# Altium PCB B38_PCB.PcbDoc (part 1 of 2) (continued)
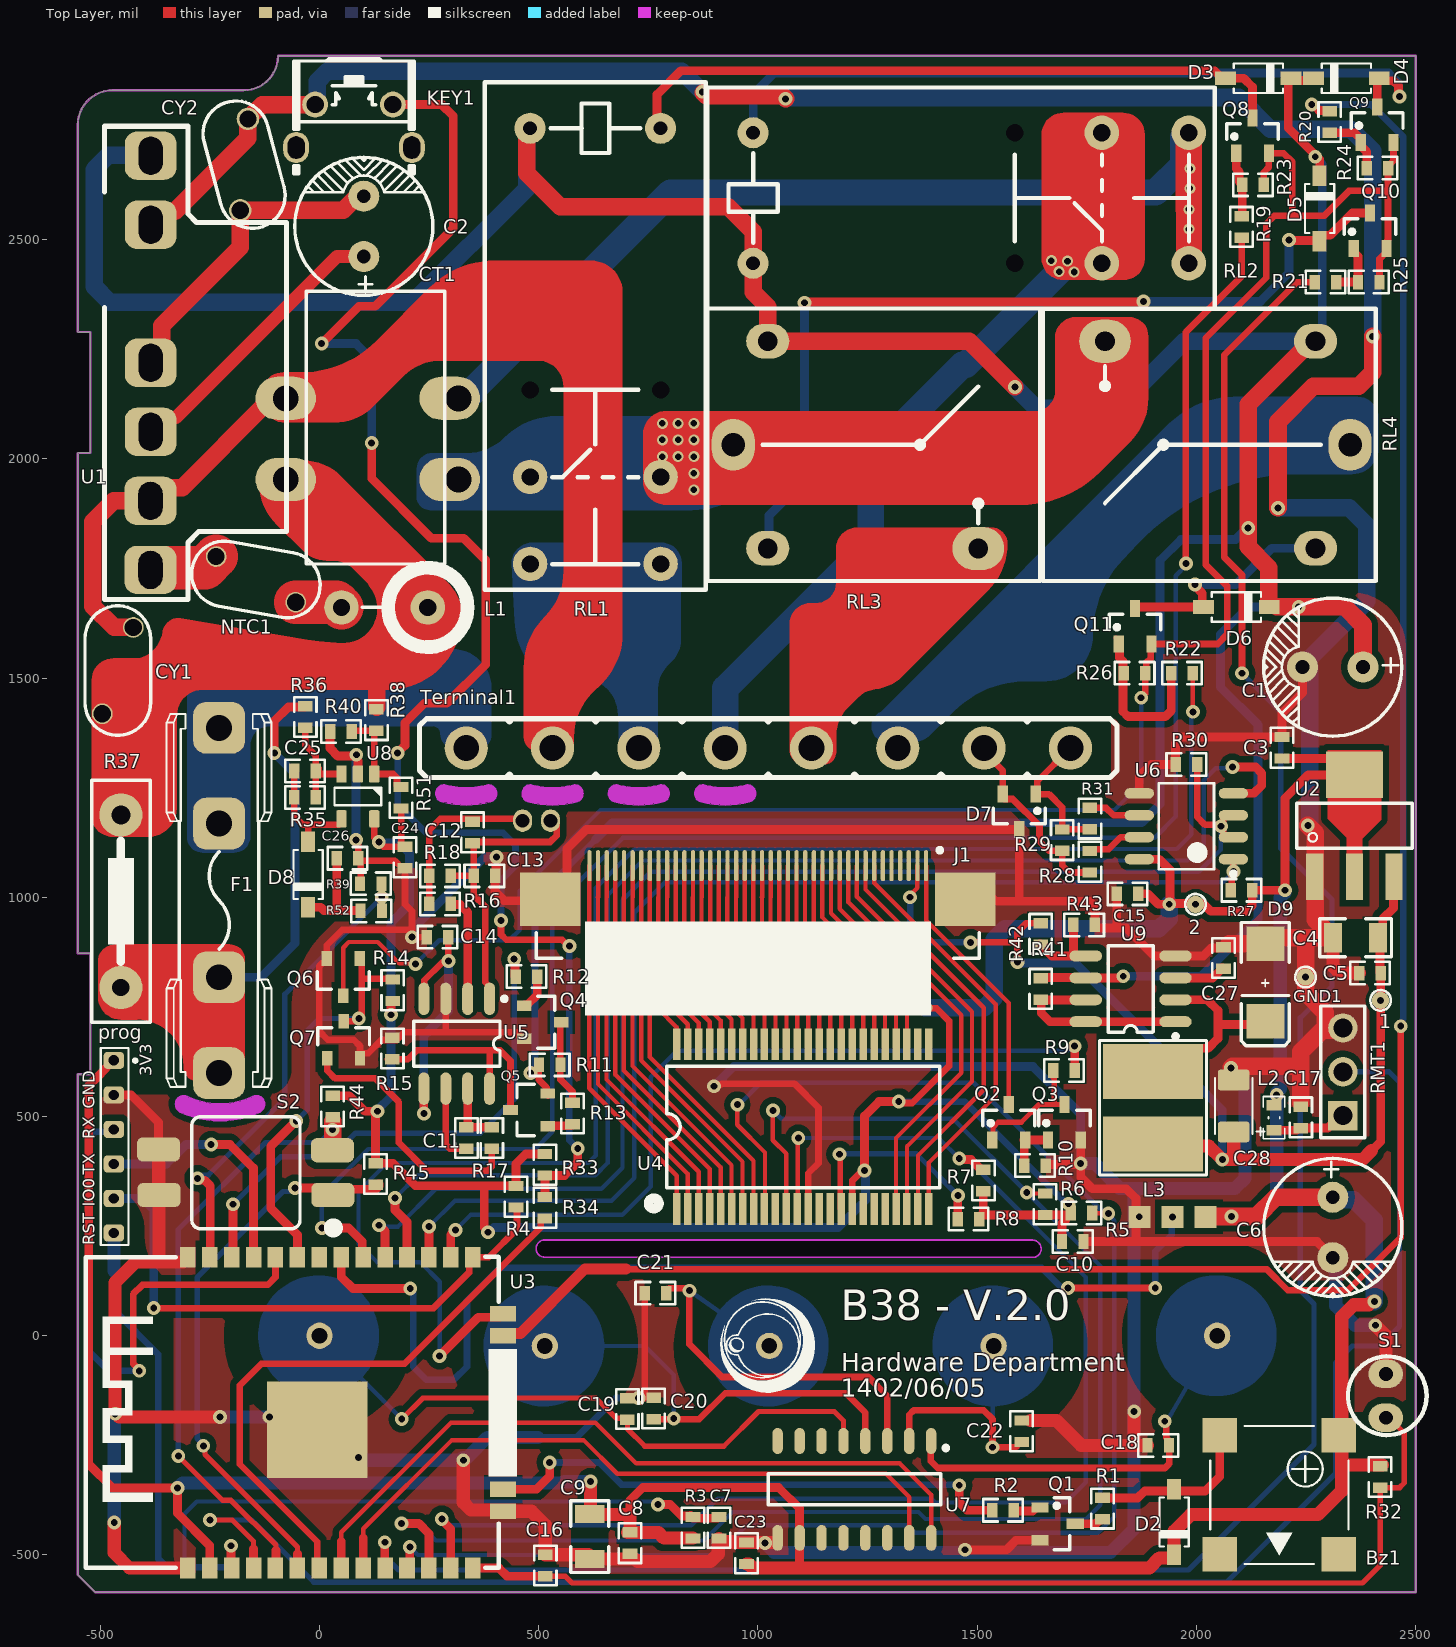
[diagram p0: Top Layer view]
## Footprints (in the part's own frame and the unit in brackets; to place one, negate y for a bottom-side part, rotate by r counter-clockwise, add the part's x,y. Pads: shape width x height; smd on the part's side, far side on the other; paste and mask are expansions set on the pad) (continued)
  silkscreen extent -12.84,-2.55 12.84,3.82, body extent -12.94,-2.65 12.94,3.2, height 0.25
"FUSE 5X20" [mm] "Dsigner : Abbas Basereh"
  rrect50% 3x3 hole 1.5: 1(0,10) 1(0,4.45) 2(0,-4.45) 2(0,-10)
  silkscreen extent -3.04,-10.81 3.04,10.81, body extent -3.5,-10.44 3.5,10.44, height 9.99
"GDS02s-2.54 smd" [mil]
  rrect50% 55.12x98.43 smd: 1(-51,-0.5) 2(51,0.5) 3(53,397) 4(-51,396)
  silkscreen extent -133,-8 128,321, body extent -122,-12 122,397, height 179
HEADER-2.54MM [mm]
  rrect50% 1x1.2 hole 0.6 mask+0.051: 1(0,0) 2(2,0) 3(4,0) 4(6,0) 5(8,0) 6(10,0)
  silkscreen extent -0.71,-0.76 10.69,1.3
IND-5.8MM [mm]
  rect 5.8x3.2 smd: 1(0,2.1) 2(0,-2.1)
  silkscreen extent -3.1,-3.9 3.1,3.9, body extent -1.94,-2.14 2.06,2.34, height 3.18
"Inductor Stand" [mm]
  round 2 hole 1: 1(0,0) 2(0,-5)
  silkscreen extent -2.3,-3.78 2.3,2.3
LS05-13BXXR3 [mm]
  rrect50% 2.8x3 hole 1.4 slot 2.2 at 0 deg: 1(-12,0.005) 2(-8,0.005) 3(-4,-0.005) 4(0,-0.005) 5(8,-0.005) 6(12,-0.005)
  silkscreen extent -13.72,-7.87 13.7,2.67, body extent -13.29,-7.72 13.08,2.64, height 14.93
"M7(1n4007 SMD)DO214" [mm]
  rect 2x2.2 smd: 1(-2.248,0) 2(2.248,0)
  silkscreen extent -3.47,-1.4 3.67,1.4, body extent -2.5,-1.32 2.6,1.28, height 2.31
"NTC 7.5-D"#1 [mm]
  round 1.2 / inner round 1.2 / far side oval 1.7x2 hole 1 mask+0.051: 1(0.9,2.5) 2(-0.9,-2.5)
  silkscreen extent -1.9,-3.75 1.9,3.75, body extent -1.93,-3.74 1.93,3.74, height 10.75
"NTC 7.5-D"#2 [mm]
  round 1.3 / inner round 1.2 / far side oval 1.7x2 hole 1 mask+0.051: 1(0.9,2.5) 2(-0.9,-2.5)
  silkscreen extent -1.9,-3.75 1.9,3.75, body extent -1.93,-3.74 1.93,3.74, height 10.75
"NTC 7.5-D"#3 [mm]
  round 1.2 / inner round 1.5 / far side oval 1.7x2 hole 1 mask+0.051: 1(0.9,2.5) 2(-0.9,-2.5)
  silkscreen extent -1.9,-3.75 1.9,3.75, body extent -1.93,-3.74 1.93,3.74, height 10.75
"PUSH BUTTON" [mm]
  oval 1.5x1.8 / inner oval 1.5x1.8 / far side oval 2x2.3 hole 1 slot 1.3 at 90 deg mask+0.051: 0(-3.35,-2.49) 0(3.35,-2.49)
  round 1.5 / inner round 1.5 / far side oval 2x1.6 hole 1 mask+0.051: 1(-2.25,0) 2(2.25,0)
  silkscreen extent -3.5,-4 3.5,2.65, body extent -4.11,-4 4.11,3.15, height 7.12
RCCB-CT [mm]
  oval 1.3x1.1 hole 0.8: 1(20.762,5.764) 2(20.762,4.145)
  oval 2.5x3.5 hole 1.5: 3(-3.708,-9.575) 4(0.991,-9.574)
  oval 2.5x3.5 hole 1.5 copper offset 0,-0.5: 5(-3.708,0.426) 6(0.991,0.426)
  silkscreen extent -9.91,-8.37 5.89,-0.37, body extent -15.66,-9.35 5.7,0.72, height 15.49
REL-SEDNA-4PIN [mm]
  oval 2.5x3 hole 1.35: 1(-7.1,0)
  oval 2.5x2 hole 1.15: 2(-5.1,-6) 5(-5.1,6)
  oval 3x2.5 hole 1.15: 3(7.1,-6)
  silkscreen extent -8.59,-7.89 10.69,7.89, body extent -8.45,-7.75 10.55,7.75, height 1.7
RELAY-HF115F [mm]
  round 0 hole 1: 0(3.14,3.78) 0(3.14,-3.78)
  round 1.8 hole 0.8: 1(-12.02,3.78) 5(-12.02,-3.78)
  round 2 hole 1: 2(13.22,-3.78) 2(13.22,3.78) 3(8.18,-3.78) 3(8.18,3.78)
  silkscreen extent -14.69,-6.4 14.71,6.4, body extent -14.49,-6.25 14.51,6.35, height 14.9
RES0603 [mm]
  rect 0.6x0.85 smd: 1(-0.622,0) 2(0.622,0)
  Top Layer pour cut-out: -0.65,0.65 -0.65,-0.65 0.622,-0.65 0.622,0.65
  silkscreen extent -1.15,-0.65 1.15,0.65, body extent -0.76,-0.38 0.76,0.38, height 0.45
RF-RMT [mm] "Connector; Header; 3 Position"
  rect 1.7x1.7 hole 1.1: 1(0,0)
  round 1.7 hole 1.1: 2(2.54,0) 3(5.08,0)
  silkscreen extent -1.27,-1.27 6.35,1.27, body extent -1.34,0.03 10.91,3.97, height 11
SHUNT-10MM [mm]
  round 2.5 hole 1.1: 1(-5,0)
  round 2.5 hole 1: 2(5,0)
  silkscreen extent -7,-1.7 7,1.7, body extent -6.87,-1.5 6.87,1.5, height 11.5
SO16 [mm]
  oval 1.5x0.6 smd: 1(-2.806,4.445) 2(-2.806,3.175) 3(-2.806,1.905) 4(-2.806,0.635) 5(-2.806,-0.635) 6(-2.806,-1.905) 7(-2.806,-3.175) 8(-2.806,-4.445) 9(2.805,-4.445) 10(2.805,-3.175) 11(2.805,-1.905) 12(2.805,-0.635) 13(2.805,0.635) 14(2.805,1.905) 15(2.805,3.175) 16(2.805,4.445)
  silkscreen extent -2.52,-5 0.9,5.42, body extent -3.05,-5.13 2.95,5.07, height 1.7
SO-8 [mil]
  oval 74x25 smd: 1(102.36,-75) 2(102.36,-25) 3(102.36,25) 4(102.36,75) 5(-102.36,75) 6(-102.36,25) 7(-102.36,-25) 8(-102.36,-75)
  silkscreen extent -51,-113 107,98, body extent -118,-96 118,96, height 67
SO-8N [mm] "SOIC, 8-Leads, Body 4/89x3/90mm, Pitch 1/27mm, IPC Medium Density designer:abbas basereh"
  oval 1.7x0.6 smd mask+0.06: 1(-2.725,1.905) 2(-2.725,0.635) 3(-2.725,-0.635) 4(-2.725,-1.905) 5(2.725,-1.905) 6(2.725,-0.635) 7(2.725,0.635) 8(2.725,1.905)
  silkscreen extent -2.85,-2.5 1.6,2.88, body extent -3,-2.5 3,2.5, height 1.5
sod-123 [mm] "SOD-123; 2 Leads; Body 2.7 x 1.6 mm, (LxW)"
  rect 0.8x1.2 smd: 1(0,-1.9) 2(0,1.9)
  Top Layer pour cut-out: -0.8,1.849 -0.8,1.849 0.8,1.849 0.8,-1.849 0.8,-1.849 -0.8,-1.849
  silkscreen extent -0.85,-1.43 0.85,1.43, body extent -0.8,-1.85 0.8,1.85, height 1.25
SOD-123 [mm] "SOD-123; 2 Leads; Body 2.7 x 1.6 mm, (LxW)"
  rect 0.8x1.2 smd: 1(0,-1.9) 2(0,1.9)
  Top Layer pour cut-out: -0.8,1.849 -0.8,1.849 0.8,1.849 0.8,-1.849 0.8,-1.849 -0.8,-1.849
  silkscreen extent -0.85,-1.43 0.85,1.43, body extent -0.8,-1.85 0.8,1.85, height 1.25
SOP64P1035X277-48N [mm]
  rect 1.85x0.435 smd: 1(-4.775,7.302) 2(-4.775,6.668) 3(-4.775,6.032) 4(-4.775,5.398) 5(-4.775,4.762) 6(-4.775,4.128) 7(-4.775,3.492) 8(-4.775,2.858) 9(-4.775,2.222) 10(-4.775,1.588) 11(-4.775,0.952) 12(-4.775,0.318) 13(-4.775,-0.318) 14(-4.775,-0.952) 15(-4.775,-1.588) 16(-4.775,-2.222) 17(-4.775,-2.858) 18(-4.775,-3.492) 19(-4.775,-4.128) 20(-4.775,-4.762) 21(-4.775,-5.398) 22(-4.775,-6.032) 23(-4.775,-6.668) 24(-4.775,-7.302) 25(4.775,-7.302) 26(4.775,-6.668) 27(4.775,-6.032) 28(4.775,-5.398) 29(4.775,-4.762) 30(4.775,-4.128) 31(4.775,-3.492) 32(4.775,-2.858) 33(4.775,-2.222) 34(4.775,-1.588) 35(4.775,-0.952) 36(4.775,-0.318) 37(4.775,0.318) 38(4.775,0.952) 39(4.775,1.588) 40(4.775,2.222) 41(4.775,2.858) 42(4.775,3.492) 43(4.775,4.128) 44(4.775,4.762) 45(4.775,5.398) 46(4.775,6.032) 47(4.775,6.668) 48(4.775,7.302)
  silkscreen extent -4.74,-7.94 3.5,8.93, body extent -5.18,-7.94 5.18,7.94, height 2.77
sot23 [mm]
  rect 0.85x0.6 smd: 1(-1.075,0.95) 2(-1.075,-0.95) 3(1.075,0)
  silkscreen extent -0.3,-1.5 0.7,1.5, body extent -1.28,-1.5 1.22,1.5, height 1.05
SOT23-5 [mm]
  round 0.5 on Mech15: 0(0,0)
  rrect25% 1x0.6 smd: 1(-1.3,0.95) 2(-1.3,0) 3(-1.3,-0.95) 4(1.3,-0.95) 5(1.3,0.95)
  silkscreen extent -0.51,-1.35 0.51,1.35, body extent -1.4,-1.45 1.4,1.45, height 1.44
SOT-23 [mm] "SOT23, 3-Leads, Body 2.9x1.3mm, Pitch 0.95mm, Lead Span 2.4mm, IPC Medium Density"
  rect 0.6x1 smd: 1(-0.95,-1.025) 2(0.95,-1.025) 3(0,1.025)
  silkscreen extent -1.5,-0.2 1.5,0.7, body extent -1.45,-1.23 1.45,1.07, height 1
SOT-223 [mm]
  rect 1x2.7 smd: 1(-2.3,-2.95) 2(0,-2.95) 3(2.3,-2.95)
  rect 3.3x2.7 smd: 4(0,2.95)
  silkscreen extent -3.35,-1.3 3.35,1.3, body extent -3.26,-3.5 3.24,3.57, height 1.6
TERMINAL [mm]
  round 2.5 / inner round 2 / far side oval 3x4 hole 1.5 mask+0.051: 1(-17.5,0) 2(-12.5,0) 3(-7.5,0) 4(-2.5,0) 5(2.5,0) 6(7.5,0) 7(12.5,0) 8(17.5,0)
  silkscreen extent -20.2,-1.7 20.2,1.7, body extent -20,-1.4 20,1.4, height 9.1
TP [mm]
  round 1 smd mask+0: 1(0,0)
  silkscreen extent -0.6,-0.6 0.6,0.6
?#1 [mil]
  round 10 smd paste-39.37 mask+2: 1(-230.31,0)
  Top Layer pour cut-out: -204.72,0 -177.38,102.38 -102.51,177.38 -0.17,204.89 102.22,177.54 177.21,102.67 204.72,0.33 204.72,0 177.21,-102.34 102.22,-177.21 -0.17,-204.56 -102.51,-177.05 -177.38,-102.05 -204.72,0.33
  Top Layer lines w10: -230.31,0 -225.04,0 -219.76,0 -216.93,0 -211.93,0 -209.1,0 -206.1,0 -198.27,0 -59.06,0 0,0
  Top Layer lines w157.48: -59.06,0 ccw(c0,0) 0,59.06 ccw(c0,0) -59.06,0
  Bottom Layer pour cut-out: -174.21,-13.78 -157.17,75.23 -97.91,143.8 -12.3,173.55 76.71,156.51 145.28,97.25 175.03,11.64 175.03,11.64 163.25,-65.38 119.22,-129.67 51.66,-168.48 -26.05,-174.14 -98.53,-145.52 -151.4,-88.29 -174.21,-13.78
  Bottom Layer pour cut-out: -215.73,0.33 -186.75,108.5 -107.56,187.69 0.61,216.67 108.79,187.69 187.97,108.5 216.96,0.33 216.96,0.33 195.53,-93.54 135.5,-168.81 48.76,-210.59 -47.53,-210.59 -134.27,-168.81 -194.31,-93.54 -215.73,0.33
  silkscreen extent -177,-177 177,177, body extent -206,-198 190,197, height 412
?#2 [mil]
  round 10 smd paste-39.37 mask+2: 1(-230.31,0)
  Top Layer pour cut-out: -204.72,0 -177.38,102.38 -102.51,177.38 -0.17,204.89 102.22,177.54 177.21,102.67 204.72,0.33 204.72,0 177.21,-102.34 102.22,-177.21 -0.17,-204.56 -102.51,-177.05 -177.38,-102.05 -204.72,0.33
  Top Layer lines w10: 0,0 -59.06,0 -198.27,0 -206.1,0 -209.1,0 -211.93,0 -216.93,0 -219.76,0 -230.31,0 ; -230.31,0 -230.31,0 ; -230.31,0 -230.31,0 ; -230.31,0 -230.31,0 ; -230.31,0 -230.31,0 ; -230.31,0 -230.31,0 ; -230.31,0 -230.31,0 ; -230.31,0 -230.31,0 ; -230.31,0 -230.31,0 ; -230.31,0 -230.31,0 ; -230.31,0 -230.31,0 ; -230.31,0 -230.31,0 ; -230.31,0 -230.31,0 ; -230.31,0 -230.31,0 ; -230.31,0 -230.31,0
  Top Layer lines w157.48: -59.06,0 ccw(c0,0) 0,59.06 ccw(c0,0) -59.06,0
  Bottom Layer pour cut-out: -215.73,0.33 -186.75,108.5 -107.56,187.69 0.61,216.67 108.79,187.69 187.97,108.5 216.96,0.33 216.96,0.33 195.53,-93.54 135.5,-168.81 48.76,-210.59 -47.53,-210.59 -134.27,-168.81 -194.31,-93.54 -215.73,0.33
  Bottom Layer pour cut-out: -174.21,-13.78 -157.17,75.23 -97.91,143.8 -12.3,173.55 76.71,156.51 145.28,97.25 175.03,11.64 175.03,11.64 163.25,-65.38 119.22,-129.67 51.66,-168.48 -26.05,-174.14 -98.53,-145.52 -151.4,-88.29 -174.21,-13.78
  silkscreen extent -177,-177 177,177, body extent -206,-198 190,197, height 412
?#3 [mil]
  round 10 smd paste-39.37 mask+2: 1(-230.31,0)
  Top Layer pour cut-out: -204.72,0 -177.38,102.38 -102.51,177.38 -0.17,204.89 102.22,177.54 177.21,102.67 204.72,0.33 204.72,0 177.21,-102.34 102.22,-177.21 -0.17,-204.56 -102.51,-177.05 -177.38,-102.05 -204.72,0.33
  Top Layer lines w10: -219.76,0 -216.93,0 -211.93,0 -209.1,0 -206.1,0 -198.27,0 -59.06,0 0,0
  Top Layer lines w157.48: -59.06,0 ccw(c0,0) 0,59.06 ccw(c0,0) -59.06,0
  Bottom Layer pour cut-out: -174.21,-13.78 -157.17,75.23 -97.91,143.8 -12.3,173.55 76.71,156.51 145.28,97.25 175.03,11.64 175.03,11.64 163.25,-65.38 119.22,-129.67 51.66,-168.48 -26.05,-174.14 -98.53,-145.52 -151.4,-88.29 -174.21,-13.78
  Bottom Layer pour cut-out: -215.73,0.33 -186.75,108.5 -107.56,187.69 0.61,216.67 108.79,187.69 187.97,108.5 216.96,0.33 216.96,0.33 195.53,-93.54 135.5,-168.81 48.76,-210.59 -47.53,-210.59 -134.27,-168.81 -194.31,-93.54 -215.73,0.33
  silkscreen extent -177,-177 177,177, body extent -206,-198 190,197, height 412
?#4 [mil]
  round 10 smd paste-39.37 mask+2: 1(-230.31,0)
  Top Layer pour cut-out: -204.72,0 -177.38,102.38 -102.51,177.38 -0.17,204.89 102.22,177.54 177.21,102.67 204.72,0.33 204.72,0 177.21,-102.34 102.22,-177.21 -0.17,-204.56 -102.51,-177.05 -177.38,-102.05 -204.72,0.33
  Top Layer lines w10: 0,0 -59.06,0 ; -230.31,0 -229.93,0 -219.76,0 -216.93,0 -211.93,0 -209.1,0 -206.1,0 -198.27,0 -59.06,0 ; -59.06,0 -59.06,0 ; -59.06,0 -59.06,0
  Top Layer lines w157.48: 0,59.06 cw(c0,0) -59.06,0 cw(c0,0) 0,59.06
  Bottom Layer pour cut-out: -215.73,0.33 -186.75,108.5 -107.56,187.69 0.61,216.67 108.79,187.69 187.97,108.5 216.96,0.33 216.96,0.33 195.53,-93.54 135.5,-168.81 48.76,-210.59 -47.53,-210.59 -134.27,-168.81 -194.31,-93.54 -215.73,0.33
  Bottom Layer pour cut-out: -174.21,-13.78 -157.17,75.23 -97.91,143.8 -12.3,173.55 76.71,156.51 145.28,97.25 175.03,11.64 175.03,11.64 163.25,-65.38 119.22,-129.67 51.66,-168.48 -26.05,-174.14 -98.53,-145.52 -151.4,-88.29 -174.21,-13.78
  silkscreen extent -177,-177 177,177, body extent -206,-198 190,197, height 412
?#5 [mil]
  round 10 smd paste-39.37 mask+2: 1(-230.31,0)
  Top Layer pour cut-out: -204.72,0 -177.38,102.38 -102.51,177.38 -0.17,204.89 102.22,177.54 177.21,102.67 204.72,0.33 204.72,0 177.21,-102.34 102.22,-177.21 -0.17,-204.56 -102.51,-177.05 -177.38,-102.05 -204.72,0.33
  Top Layer lines w10: 0,0 -59.06,0 -198.27,0 -206.1,0 -209.1,0 -211.93,0 -216.93,0 -219.76,0 -230.31,0
  Top Layer lines w157.48: -59.06,0 cw(c0,0) 0,59.06 cw(c0,0) -59.06,0
  Bottom Layer pour cut-out: -174.21,-13.78 -157.17,75.23 -97.91,143.8 -12.3,173.55 76.71,156.51 145.28,97.25 175.03,11.64 175.03,11.64 163.25,-65.38 119.22,-129.67 51.66,-168.48 -26.05,-174.14 -98.53,-145.52 -151.4,-88.29 -174.21,-13.78
  Bottom Layer pour cut-out: -215.73,0.33 -186.75,108.5 -107.56,187.69 0.61,216.67 108.79,187.69 187.97,108.5 216.96,0.33 216.96,0.33 195.53,-93.54 135.5,-168.81 48.76,-210.59 -47.53,-210.59 -134.27,-168.81 -194.31,-93.54 -215.73,0.33
  silkscreen extent -177,-177 177,177, body extent -206,-198 190,197, height 412

## Part data
1 2 GND1: library part TP
Bz1: library part "PIEZO BUZZER", "PIEZO BUZZER ACTIVE", Manufacturer=HNDZ, PN=MLT-7525
C1: library part "Cap Pol1", "Aluminum electrolytic capacitor  22uF/450V/Φ12.5*20"
C2: library part "Cap Pol1", "Aluminum electrolytic capacitor  4.7uF/400V/Φ8*11.5"
C3 C4 C5: library part Cap, "Capacitor 6.3V, 10%", Manufacturer=Walsin, PN=0603X106K6R3
C6: library part "Cap Pol1", "Aluminum electrolytic capacitor  220uF/6.3vV/8*11.5"
C7 C8 C9 C10: library part Cap, "Capacitor", Published=8-Jun-2000, Publisher="Altium Limited", Revision="July-2002: Re-released for DXP Platform."
C11 C12 C13 C14: library part CAP-SMT, "47nF ±5% 50V X7R 0603 Multilayer Ceramic Capacitors MLCC - SMD/SMT"
C15 C16 C17 C18 C19 C20 C21 C22 C23: library part Cap, "Capacitor 10V, 10%", Manufacturer=Walsin, PN=0603B104K100CT
C24 C25 C26: library part CAP-SMT, "1UF ±5% 50V X7R 0603 Multilayer Ceramic Capacitors MLCC - SMD/SMT"
C27: library part CAP, "37pF ±10% 50V X7R 0603 Multilayer Ceramic Capacitors MLCC - SMD/SMT"
C28: library part Cap_elec, "tantalum capacitor package size A (1206)", Data=16-12-2016, Designer="Abbas Basereh"
CY1 CY2: library part "CAP SMD PACKAGE", "Capacitor 2KV/10%", Manufacturer=Walsin, PN=C1206X102KGRACAUTO
D2: library part "Diode 1N4148", "High Conductance Fast Diode", Manufacturer=VISHAY, PN=1N4148WS
D3 D4 D5 D6: "DIODE GEN PURP 100V 200MA DO35", ComponentLink1Description="Manufacturer Link", ComponentLink1URL=http://www.digikey.com/product-detail/en/fairchild-on-semiconductor/1N4148/1N4148FS-ND/458603, ComponentLink2Description=Datasheet, PackageDescription="DIODE GEN PURP 100V 200MA DO35", PackageReference="DO 35", PackageVersion=2017-1-12, PART.NO=1N4148, Published=2017-1-12, Publisher="Abbas Basereh"
D7: "PSM712 is an asymmetrical transient voltage suppressor (TVS) array", PN=PSM712
D8: library part DIODE, "Diode"
D9: library part schottky, "40V 500mV@1A 1A SMA(DO-214AC or SMA) Schottky Barrier Diodes"
F1: library part "Fuse 5x20 with holdeer pins", "Fuses 5x20", Data=28-12-2016, Desc.="fuse with holder pins 5x20", Designer="Abbas Basereh"
K1 K2 K3 K4 K5: library part TPAD
KEY1: library part SW
L1: library part "Inductor Iron", "4.7mH/15Ω/0.1A"
L2: library part "Ferrite Bead SMD Package", "Ferrite Bead SMD, 100R", Designer="Ali Hafizi"
L3: library part "Inductor Iron", "CD54 220uH = CD54 is L×W×H: 6.1×5.5×4.85mm  Maximum DC Current = 2.3A"
NTC1: library part "Res Varistor", "Varistor (Voltage-Sensitive Resistor)", Code_IPC="10R 1A"
Q4: library part NPN, "NPN", De="Seyed Mohsen Ghasemian", E-mail=picpars@gmail.com, web=www.picpars.com
Q5: library part PNP, "PNP Bipolar Transistor", LatestRevisionDate=29-May-2009, LatestRevisionNote="IPC-7351 Footprint Added.", PackageDescription="3-Pin SOT-23 Package 0.95 mm Pitch, 2.4 mm Lead Span", PackageReference=SOT-23B, PackageVersion=Aug-1999, Published=8-Jun-2000, Publisher="Altium Limited"
Q6 Q7: library part FDD6690A, "MOSFET N-CH 60V 115MA SOT23-3", Manufacturer=Diode, PN=2N7002-7-F
R1 R2 R3 R4 R5 R6 R7 R8 R9 R10 R19 R20 R21 R22 R23 R24 R25 R26 R28 R31 R33 R34 R44 R45: library part Res1, "Resistor 5%", Manufacturer=Panasonic
  R1 R3 R4 R5 R6 R7 R8 R9 R10 R33 R34 R44 R45: PN=ERJ3GEYJ101V
  R2 R19 R20 R21 R22 R23 R24 R25 R26: PN=ERJ3GEYJ102V
  R28 R31: PN=ERJ3GEYJ100V
R11 R12 R13 R14 R15 R17 R35 R36 R38 R39 R40 R51 R52: "Resistor", LatestRevisionDate=17-Jul-2002, LatestRevisionNote="Re-released for DXP Platform.", PackageDescription="Axial Device, Thru-Hole; 2 Leads; 0.3 in Pin Spacing", PackageReference=AXIAL-0.3, Published=8-Jun-2000, Publisher="Altium Limited"
R16: "100mW Thick Film Resistors 50V ±1% ±100ppm/℃ 100Ω -55℃~+125℃ 0603 Chip Resistor - Surface Mount ROHS", LatestRevisionDate=17-Jul-2002, LatestRevisionNote="Re-released for DXP Platform.", PackageDescription="Axial Device, Thru-Hole; 2 Leads; 0.3 in Pin Spacing", PackageReference=AXIAL-0.3, Published=8-Jun-2000, Publisher="Altium Limited"
R18: "100mW Thick Film Resistors 50V ±1% ±100ppm/℃ 120Ω -55℃~+125℃ 0603 Chip Resistor - Surface Mount ROHS", LatestRevisionDate=17-Jul-2002, LatestRevisionNote="Re-released for DXP Platform.", PackageDescription="Axial Device, Thru-Hole; 2 Leads; 0.3 in Pin Spacing", PackageReference=AXIAL-0.3, Published=8-Jun-2000, Publisher="Altium Limited"
R27 R30: library part Res1, "Resistor"
R29 R32: library part Res1, "Resistor", Manufacturer=Panasonic
R37: library part RES, "Resistor"
R41: library part Res, "100mW Thick Film Resistors 50V ±1% ±100ppm/℃ 150mΩ -55℃~+125℃ 0603 Chip Resistor - Surface Mount ROHS", LatestRevisionDate=17-Jul-2002, LatestRevisionNote="Re-released for DXP Platform.", PackageDescription="Axial Device, Thru-Hole; 2 Leads; 0.3 in Pin Spacing", PackageReference=AXIAL-0.3, Published=8-Jun-2000, Publisher="Altium Limited"
R42: library part Res, "100mW Thick Film Resistors 50V ±1% ±100ppm/℃ 28kΩ -55℃~+125℃ 0603 Chip Resistor - Surface Mount ROHS"
R43: library part Res, "100mW Thick Film Resistors 50V ±1% ±100ppm/℃ 12kΩ -55℃~+125℃ 0603 Chip Resistor - Surface Mount ROHS", part number=AECR0603F12K0K9
RMT1: library part "Header 3", "Header, 3-Pin", LatestRevisionDate=17-Jul-2002, LatestRevisionNote="Re-released for DXP Platform.", Publisher="Altium Limited"
S1: library part "Res Thermal", "Thermistor"
Terminal1: "Header, 8-Pin"
U2: library part ASM1117, "Low Dropout Linear Regulator , Positive , Fixed , Output Voltage : 3.3V , Output Current : 1A ; Input Voltage :18V", PN=AMS1117-3.3V
U3: "ESP32 Wroom Module"
U4: library part HT1621B, "Integrated Circuit", Manufacturer_Name=Holtek, Manufacturer_Part_Number=HT1621B(48SSOP), Height=2.769mm
U5: library part M54123L, "EARTH LEAKAGE CURRENT DETECTOR"
U6: "RS-485/RS-422 Transceiver", PN=SN65HVD75D
U7: "HOLTEK_Touch key input pin, Operating voltage: 2.2V~5.5V - 8 Key input - Serial output"
U8: library part LM741, "Wide Bandwidth JFET Input Operational Amplifier"
U9: library part MC34063, Manufacturer=ST, part number=MC34063ACD-TR

## Free pads (board coordinates)
  rect 50x50 smd: 2(2021,271) 3(1945.5,271) 4(1870,271)
  round 60 hole 35.43: 5(0,0) 5(513.84,-23.35) 5(1025.65,-23.25) 5(1537.46,-23.35) 5(2047.24,0)

## Via types
v1: diameter 31.5, hole 15.75, Top Layer to Bottom Layer, tented both sides, 118 vias
v2: diameter 25, hole 15, Top Layer to Bottom Layer, tented both sides, 19 vias
v3: diameter 23.62, hole 15.75, Top Layer to Bottom Layer, tented bottom, 3 vias
v4: diameter 25, hole 15, Top Layer to Bottom Layer, 1 vias

## Nets (pads, with @x,y where several pads share a name; then routed paths per layer and width w, separated by ;. In a path a pad name is that pad's centre, name@x,y a point inside that pad or via, vN(x,y) a via of type N, cw(c..) or ccw(c..) an arc to the next point about the centre after c; other vN are vias at no path point)
3V3: 2.1 Bz1.1 C3.2 C6.1 C8.2 C9.2 C10.1 C15.2 C23.1 C24.1 D2.2 L2.2 pad.2 prog.1 R3.2 R4.2 R5.1 R6.1 R7.1 R8.1 R14.1 R27.2 R32.2 R33.1 R44.1 R45.1 R51.2 U2.2 U2.4 U3.2 U4.17 U6.8 U7.10 U8.5 | length 12777.6
  Top Layer w15: U8.5@125,1171 125,1136 v1(135.25,1125.75) 145.5,1115.5 191,1115.5 186,1120.5 R51.2@186,1202.5 ; U4.17@1214.88,288.82 1214.88,354 1215.54,354 1238.54,377 v1(1243,377) ; v1(1321,534) 1324.16,530.84 1351.84,530.84 1436,615 1436,718 1407.24,746.76 1383.24,746.76 v1(1382,748)
  Top Layer w20: prog.1@-470.32,627.96 -487.62,610.65 -487.62,609.34 -507.09,589.87 -526,570.96 -526,-293 -472,-347 v1(-324,-347) -324,-405 -250.4,-478.6 U3.2@-250.4,-529.72 ; R44.1@30,547.5 67.5,547.5 103,512 v1(132,512) 132,508.89 128,504.89 R45.1@128,393.5 167.5,393.5 219,342 376,342 ; v1(163,732) 163,759.51 R14.1@167,763.5 ; v1(384,236) 384,239.11 376,247.11 376,257 376,342 ; R33.1@514,414.5 470.5,414.5 448,392 R4.2@448,341.5 447.49,342 376,342 ; 708,-411.75 708,-375 737,-346 1047,-346 1095,-394 U7.10@1095,-460.91 1095,-529 ; v1(1243,377) 1243,501 1276,534 v1(1321,534) ; R8.1@1510,275.5 1568.33,275.5 R5.1@1708.08,275.5 ; R8.1@1514,280.42 R7.1@1514,329.5 ; C10.1@1693.5,215 1693.5,256.01 1701.26,263.77 1701.26,268.69 R5.1@1708.08,275.5 ; R5.1@1713,275.5 R5.1@1708.08,275.5 ; C15.2@1867.5,1008 1889,1008 1913,984 v1(1938,984) v1@1940,986 ; U6.8@1869.72,1087 1915,1087 1940,1062 v1@1940,986 ; C3.2@2195,1316.5 2322.82,1316.5 U2.4@2360.23,1279.1 2255.1,1279.1 2202,1226 v1@2202,1016.99 ; v1(2202,1016) R27.2@2127.5,1016 2127.5,981.5 2114,968 2033,968 2015,986 v1@1940,986
  Top Layer w30: v1(617.99,-332.6) 617.71,-332.89 617.71,-405.11 C9.2@616,-406.82 617.18,-408 704.24,-408 708,-411.75 C8.2@708,-448.5 ; C8.2@703.08,-448.5 C8.2@708,-448.5 ; R3.2@852,-461.5 785.5,-461.5 772.5,-448.5 C8.2@708,-448.5 ; C23.1@974,-520.5 978.92,-520.5 988.42,-530 1094,-530 ; 1095,-529 1094,-530 ; v1(2406,78) 2400.18,78 2392.94,70.76 2358.76,70.76 2331.29,43.29 2331.29,-295 ; R32.2@2424.49,-295 2331.29,-295 ; 1094,-530 1892.29,-530 1915.48,-506.8 1949,-506.8 1949,-445.78 1986.78,-408 2277,-408 2331.29,-353.71 2331.29,-295
  Top Layer w40: pad.2@2021,271 2022,272 v1(2080,272) 2137,272 2180.9,315.9 C6.1@2311,315.9
  Bottom Layer w15: v1(1321,534) 1471,534 1704,301 v1(1708,301)
  Bottom Layer w20: v1(132,512) 132,514.7 163,545.7 v1(163,732) 163,942 205,984 205,1101.5 182.35,1124.15 136.85,1124.15 v1(135.25,1125.75) ; v1(384,236) 387.11,236 398.11,247 1183,247 1245.2,309.2 1245.2,374.8 v1(1243,377)
  Bottom Layer w30: v1(-324,-347) -323.6,-347 -312.6,-336 554.19,-336 557.3,-332.89 617.71,-332.89 v1(617.99,-332.6) ; v1(2080,272) 2142,272 2183,313 v1@2183,554.82 ; 2191,562.82 2191,999.39 2202,1010.39 v1(2202,1016)
  Bottom Layer w40: v1(1382,748) 1515.57,748 1539,771.43 1539,904.57 1562.43,928 1914.57,928 1938,951.43 v1(1938,984) ; C6.1@2311,315.9 2316.91,309.99 2359.01,309.99 2406,263 v1(2406,78)
  other v1: 2183,549
  other v3: 1998,984
+5: 1.1 C4.2 C5.2 C28.1 J1.2 L3.2 R42.2 U2.3 | length 2497.7
  Top Layer w10: v1(1347,1000) 1347,1004.88 1363.68,1021.57 J1.2@1363.68,1072
  Top Layer w15: v1(1485,897) 1591,897 ; v1(1592,852) 1591,853 1591,897 ; R42.2@1644.89,941.16 1612.16,941.16 1591,920 1591,897
  Top Layer w20: L3.2@1896,437.32 L3.2@1900.78,432.54 ; 2399.6,422.6 2420.19,443.19 C5.2@2420.19,827.08 2418.38,828.89 2418.38,903.8 C4.2@2414.18,908 2424.85,918.67 2424.85,950.85 2449.38,975.38 2449.38,1045.41 U2.3@2450.78,1046.81
  Top Layer w30: L3.2@1900.78,432.54 2028.46,432.54 v1(2059,402) 2085,402 ; C28.1@2085,464.75 2085,402 ; 2399.6,422.6 2379,402 2085,402
  Bottom Layer w15: v1(1347,1000) 1347,929 1379,897 v1(1485,897)
  Bottom Layer w20: v1(1592,852) 1593.75,850.25 1723.75,850.25 2059,515 v1(2059,402)
  other v3: 2420,765
+15: C1.1 D3.2 D4.2 D5.2 D6.2 Q5.2 R11.2 R41.2 RL1.5 RL2.5 RL3.5 RL4.2 U1.6 U9.6 | length 9920.7
  Top Layer w15: R11.2@500.5,613.08 500.5,583.5 518,566 518,549.72 Q5.2@520.32,547.4
  Top Layer w20: R41.2@1644.89,816.87 1746.86,816.87 U9.6@1747.55,816.18 1829.18,816.18 v1(1833,820) ; D6.2@2166.81,1663 D6.2@2183,1663 ; D3.2@2215.8,2868 2215.25,2868 2209.5,2862.25 2209.5,2754.5 2271,2693 v1(2271,2689) ; D3.2@2226.7,2862.7 2257.9,2862.7 D4.2@2263.2,2868 ; D5.2@2281,2645.8 v1@2281,2683
  Top Layer w40: RL1.5@472.36,2753.85 472.36,2651.64 549,2575 932,2575 989,2518 989,2380 1022.21,2346.79 RL3.5@1022.21,2268.22 1481.78,2268.22 v1(1586,2164) ; D6.2@2165.1,1666.25 2165.1,1751.9 2118,1799 2118,2124.27 2261.95,2268.22 RL4.2@2271.79,2268.22 ; D6.2@2183,1663 2337.91,1663 2379.91,1621 C1.1@2379.91,1525
  Bottom Layer w10: v1(481.51,599) v1@481.51,604.82
  Bottom Layer w15: v1@481.51,604.82 491.47,614.78 491.47,993.97 628.75,1131.25
  Bottom Layer w20: 628.75,1131.25 667.5,1170 1875,1170 1917,1212 1917,1768 1965,1816 2088.89,1816 2114.89,1842 v1(2118,1842) ; v1(1833,820) 2011,820 2140.66,949.66 2140.66,1393.34 2055,1479 2055,1599.52 2117.48,1662 v1(2233.2,1662) ; v1(2271,2689) 2271,2687.54 2287,2671.54 2287,2283.43 RL4.2@2271.79,2268.22
  Bottom Layer w40: U1.6@-385,2691.44 -385.57,2692.01 -481.76,2692.01 -514,2659.77 -514,2393 -478,2357 213,2357 472.36,2616.36 RL1.5@472.36,2753.85 ; v1(1586,2164) 1635,2115 1819,2115 1972.22,2268.22 RL4.2@2271,2268.22
AC_L: CT1.4 CY1.2 L1.1 R37.1 R38.1 | length 1705.8
  Top Layer w40: CY1.2@-492.2,1414.35 -452.52,1414.35 ; R37.1@-452.52,1186.38 -452.52,1414.35 ; CT1.4@-73.76,1948.75 -41.74,1948.75 250.24,1656.78 250.24,1567.78 207.24,1524.78 ; R38.1@130.15,1433.24 130.15,1519.78 ; 156.24,1523.78 206.24,1523.78 207.24,1524.78 ; -452.52,1414.35 -407.55,1414.35 -297.13,1524.78 207.24,1524.78
AC_N: CT1.3 CY1.1 Terminal1.2 U1.2 | length 2568.8
  Top Layer w20: Terminal1.2@527.14,1344.71 Terminal1.2@531.49,1340.36
  Top Layer w40: CY1.1@-424.57,1615.43 -468.43,1615.43 -517,1664 -517,1856 -468.96,1904.04 -360.4,1904.04 -360.4,1921.01 -346.92,1934.49 -313.51,1934.49 -122.43,2125.57 CT1.3@-73.53,2125.57
  Top Layer w60: CT1.3@-77,2138 -70,2145 85,2145 226,2286 543,2286 617,2212 617,1593 531.49,1507.49 Terminal1.2@531.49,1340.36
COM0: J1.10 U4.21 | length 951.9
  Top Layer w9.84: 1205.9,989.1 J1.10@1205.9,1072
  Top Layer w10: 1205.9,989.1 1464,731 1464,600 1314.88,450.88 U4.21@1314.88,288.82
COM1: J1.9 U4.22 | length 953.2
  Top Layer w9.84: J1.9@1225.58,1072 1225.58,1001.42 1488,739 1488,580 ; U4.22@1339.84,288.82 1339.84,431.84
  Top Layer w10: 1339.84,431.84 1488,580
COM2: J1.8 U4.23 | length 957.1
  Top Layer w9.84: J1.8@1245.27,1072 1245.27,1017.73 1515,748 1515,591 ; U4.23@1364.88,288.82 1364.88,411.12
  Top Layer w10: 1364.88,411.12 1515,561.24 1515,591
COM3: J1.7 U4.24 | length 960.8
  Top Layer w9.84: J1.7@1265.26,1072 1265.26,1032.74 1542,756 ; U4.24@1389.84,288.82 1389.84,394.84
  Top Layer w10: 1389.84,394.84 1542,547 1542,756
CoM-L: CT1.6 RL1.3 RL3.1 RL4.3 | length 1798.7
  Top Layer w40: CT1.6@330.75,1929.97 CT1.6@341.93,1941.15
  Top Layer w60: 869.37,1963.87 866.24,1967 v2(854,1967) 847.5,1960.5 779.93,1960.5 RL1.3@778,1958.57 781.59,1954.99 828.01,1954.99 v2(854,1929) 854,1948.5 859.41,1948.5 942.92,2032 RL3.1@943.47,2032 943.58,2031.89 1680.89,2031.89 1791.47,2142.47 RL4.3@1791.47,2268.22
  Bottom Layer w60: CT1.6@341.93,1941.15 389.15,1941.15 406.57,1958.57 RL1.3@480.36,1958.57 RL1.3@770,1958.57
  other v2: 782,2005 818,2005 854,2005 782,2043 818,2043 854,2043 782,2081 818,2081 854,2081
CSK1: C18.2 K1.1 pad.5@2047.24,0 U7.1 | length 700.3
  Top Layer w15: U7.1@1394.07,-240.93 1394.07,-285.84 1409.91,-301.69 1928.22,-301.69 1937.56,-292.35 C18.2@1937.56,-250.06 ; v1(1927.7,-194.89) 1930.85,-198.05 1930.85,-209.71 1931.03,-209.89 1931.03,-231.98 1933.19,-234.13 1933.19,-245.69 C18.2@1937.5,-250
CSK2: C22.2 K2.1 pad.5@1537.46,-23.35 U7.2 | length 383.8
  Top Layer w15: U7.2@1344.84,-239.69 1344.84,-180.16 1354.84,-170.16 1514.84,-170.16 1534.84,-190.16 v1(1534.89,-254.21) v1(1534.89,-254.21) 1588.29,-254.21 C22.2@1591.35,-251.15
CSK3: C21.2 K3.1 pad.5@1025.65,-23.25 U7.3 | length 788.3
  Top Layer w15: C21.2@790.5,97 790.5,101.92 797.31,108.74 837.67,108.74 v1(843.6,102.81) 843.6,-19.58 918.01,-93.99 1251.99,-93.99 1294.84,-136.84 U7.3@1294.84,-239.69
CSK4: C20.2 K4.1 pad.5@513.84,-23.35 U7.4 | length 783.1
  Top Layer w15: C20.2@762,-190.5 808,-190.5 865.71,-190.5 925.21,-131 1200.69,-131 1244.84,-175.16 U7.4@1244.84,-239.69
  Bottom Layer w10: K4.1@741.97,-23.51 808,-89.54 v1(808,-189)
CSK5: C19.2 K5.1 pad.5@0,0 U7.5 | length 1209.3
  Top Layer w12: v1(187.66,-190.01) 235.67,-142 630.18,-142 676.13,-187.95 698.46,-187.95 C19.2@702,-191.5 ; C19.2@702.45,-191.94 702.45,-212.45 742,-252 922,-252 1001,-173 1173.93,-173 1194.84,-193.91 U7.5@1194.84,-239.69
  Bottom Layer w10: K5.1@160.67,-163.01 v1(187.66,-190.01)